# KiCad board kitest.kicad_pcb
title: Matrix Board 0; date: 2024-10-04; rev: 0; company: Psycho Duck
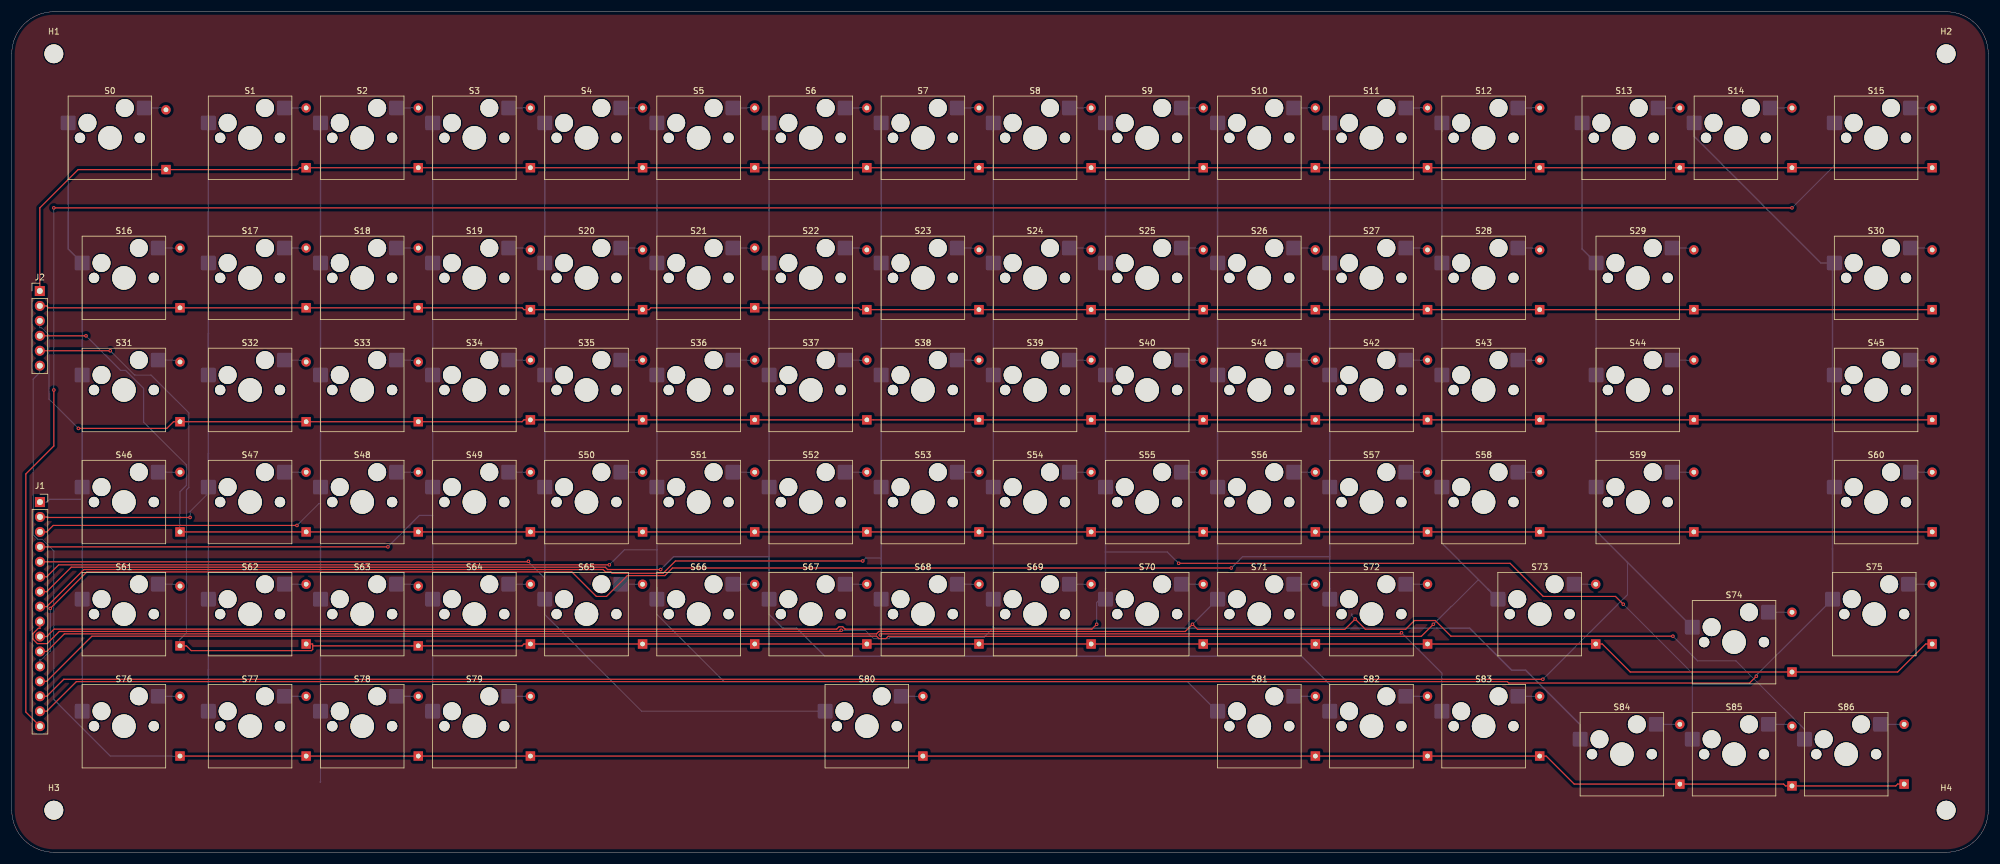
[diagram p0: board, top side]
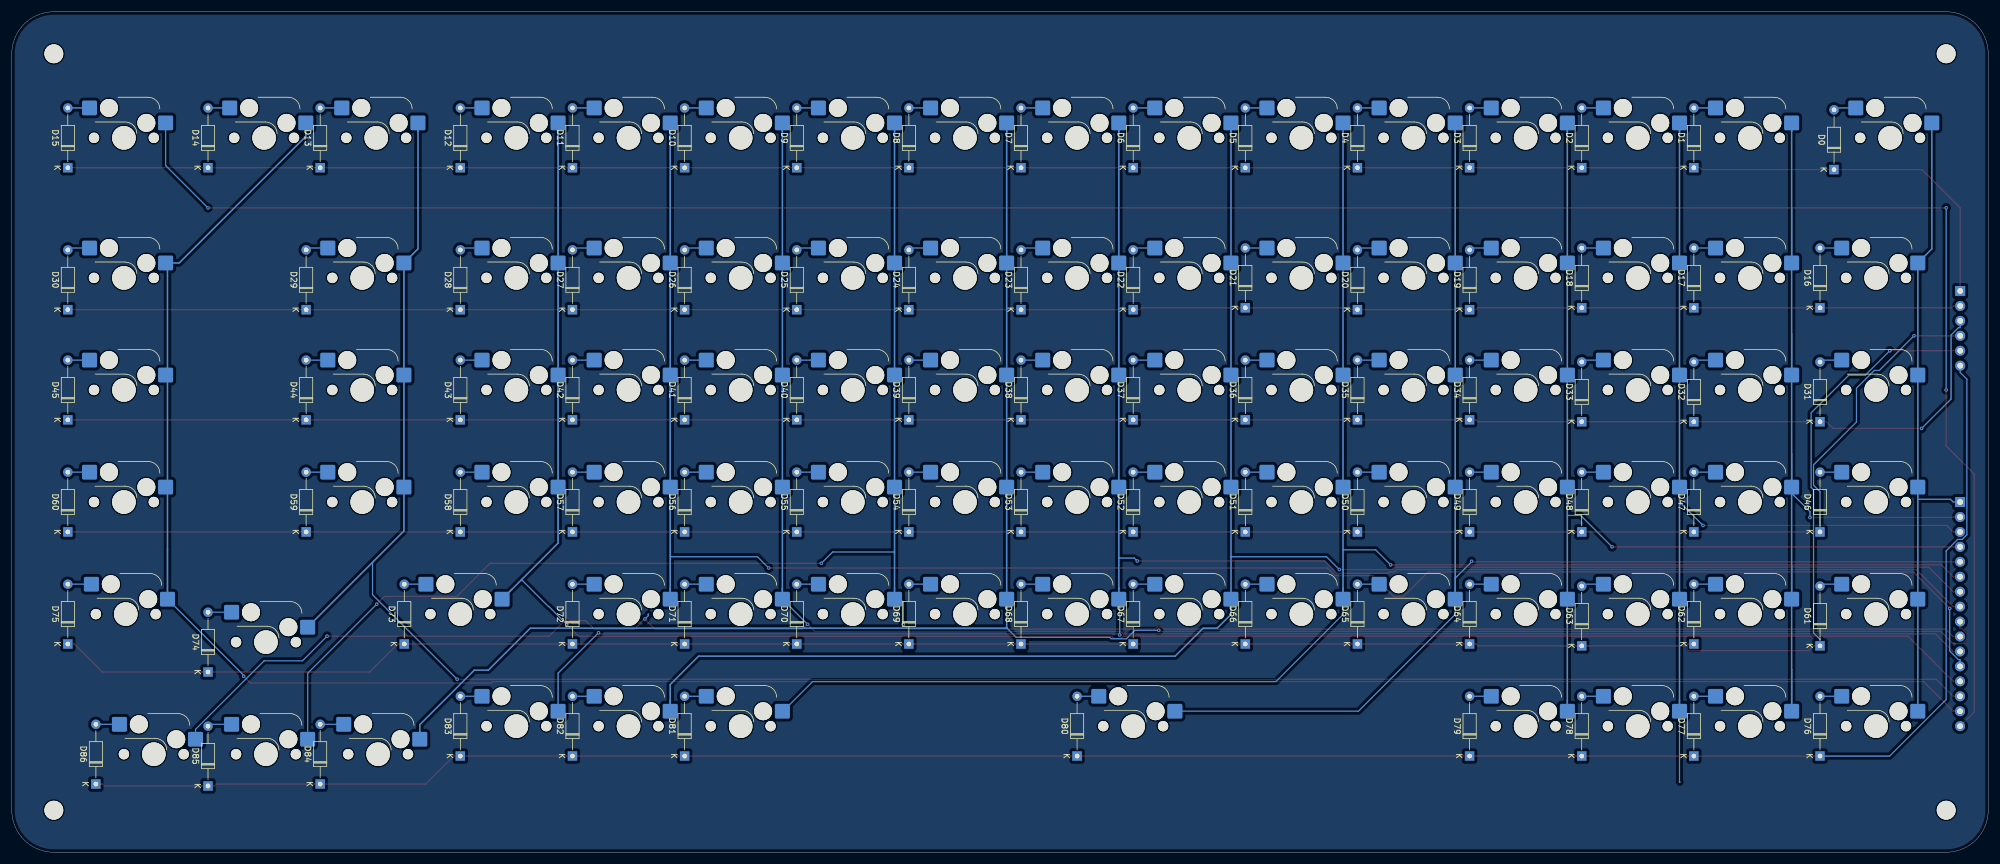
[diagram p1: board, bottom side, seen from below]

Outline 335.76 x 142.87 mm; copper layers: Top, Bottom. Coordinates in mm from the lower left corner of the outline.
Outline path: 0,135.73 0,7.14 arc(2.09,2.09) 7.14,0 328.61,0 arc(333.66,2.09) 335.76,7.14 335.76,135.73 arc(333.66,140.78) 328.61,142.87 7.14,142.87 arc(2.09,140.78) 0,135.73

## Placement (name value [footprint] x y rotation side)
D0  Diode  [D_DO-35_SOD27_P10.16mm_Horizontal]  26.19 116.05 90 bottom
D1  Diode  [D_DO-35_SOD27_P10.16mm_Horizontal]  50.01 116.36 90 bottom
D2  Diode  [D_DO-35_SOD27_P10.16mm_Horizontal]  69.06 116.36 90 bottom
D3  Diode  [D_DO-35_SOD27_P10.16mm_Horizontal]  88.11 116.36 90 bottom
D4  Diode  [D_DO-35_SOD27_P10.16mm_Horizontal]  107.16 116.36 90 bottom
D5  Diode  [D_DO-35_SOD27_P10.16mm_Horizontal]  126.21 116.36 90 bottom
D6  Diode  [D_DO-35_SOD27_P10.16mm_Horizontal]  145.26 116.36 90 bottom
D7  Diode  [D_DO-35_SOD27_P10.16mm_Horizontal]  164.31 116.36 90 bottom
D8  Diode  [D_DO-35_SOD27_P10.16mm_Horizontal]  183.36 116.36 90 bottom
D9  Diode  [D_DO-35_SOD27_P10.16mm_Horizontal]  202.41 116.36 90 bottom
D10  Diode  [D_DO-35_SOD27_P10.16mm_Horizontal]  221.46 116.36 90 bottom
D11  Diode  [D_DO-35_SOD27_P10.16mm_Horizontal]  240.51 116.36 90 bottom
D12  Diode  [D_DO-35_SOD27_P10.16mm_Horizontal]  259.56 116.36 90 bottom
D13  Diode  [D_DO-35_SOD27_P10.16mm_Horizontal]  283.37 116.36 90 bottom
D14  Diode  [D_DO-35_SOD27_P10.16mm_Horizontal]  302.42 116.36 90 bottom
D15  Diode  [D_DO-35_SOD27_P10.16mm_Horizontal]  326.23 116.36 90 bottom
D16  Diode  [D_DO-35_SOD27_P10.16mm_Horizontal]  28.58 92.55 90 bottom
D17  Diode  [D_DO-35_SOD27_P10.16mm_Horizontal]  50.01 92.55 90 bottom
D18  Diode  [D_DO-35_SOD27_P10.16mm_Horizontal]  69.06 92.55 90 bottom
D19  Diode  [D_DO-35_SOD27_P10.16mm_Horizontal]  88.11 92.23 90 bottom
D20  Diode  [D_DO-35_SOD27_P10.16mm_Horizontal]  107.16 92.23 90 bottom
D21  Diode  [D_DO-35_SOD27_P10.16mm_Horizontal]  126.21 92.55 90 bottom
D22  Diode  [D_DO-35_SOD27_P10.16mm_Horizontal]  145.26 92.23 90 bottom
D23  Diode  [D_DO-35_SOD27_P10.16mm_Horizontal]  164.31 92.23 90 bottom
D24  Diode  [D_DO-35_SOD27_P10.16mm_Horizontal]  183.36 92.23 90 bottom
D25  Diode  [D_DO-35_SOD27_P10.16mm_Horizontal]  202.41 92.23 90 bottom
D26  Diode  [D_DO-35_SOD27_P10.16mm_Horizontal]  221.46 92.23 90 bottom
D27  Diode  [D_DO-35_SOD27_P10.16mm_Horizontal]  240.51 92.23 90 bottom
D28  Diode  [D_DO-35_SOD27_P10.16mm_Horizontal]  259.56 92.23 90 bottom
D29  Diode  [D_DO-35_SOD27_P10.16mm_Horizontal]  285.75 92.23 90 bottom
D30  Diode  [D_DO-35_SOD27_P10.16mm_Horizontal]  326.23 92.23 90 bottom
D31  Diode  [D_DO-35_SOD27_P10.16mm_Horizontal]  28.58 73.18 90 bottom
D32  Diode  [D_DO-35_SOD27_P10.16mm_Horizontal]  50.01 73.18 90 bottom
D33  Diode  [D_DO-35_SOD27_P10.16mm_Horizontal]  69.06 73.18 90 bottom
D34  Diode  [D_DO-35_SOD27_P10.16mm_Horizontal]  88.11 73.5 90 bottom
D35  Diode  [D_DO-35_SOD27_P10.16mm_Horizontal]  107.16 73.5 90 bottom
D36  Diode  [D_DO-35_SOD27_P10.16mm_Horizontal]  126.21 73.5 90 bottom
D37  Diode  [D_DO-35_SOD27_P10.16mm_Horizontal]  145.26 73.5 90 bottom
D38  Diode  [D_DO-35_SOD27_P10.16mm_Horizontal]  164.31 73.5 90 bottom
D39  Diode  [D_DO-35_SOD27_P10.16mm_Horizontal]  183.36 73.5 90 bottom
D40  Diode  [D_DO-35_SOD27_P10.16mm_Horizontal]  202.41 73.5 90 bottom
D41  Diode  [D_DO-35_SOD27_P10.16mm_Horizontal]  221.46 73.5 90 bottom
D42  Diode  [D_DO-35_SOD27_P10.16mm_Horizontal]  240.51 73.5 90 bottom
D43  Diode  [D_DO-35_SOD27_P10.16mm_Horizontal]  259.56 73.5 90 bottom
D44  Diode  [D_DO-35_SOD27_P10.16mm_Horizontal]  285.75 73.5 90 bottom
D45  Diode  [D_DO-35_SOD27_P10.16mm_Horizontal]  326.23 73.5 90 bottom
D46  Diode  [D_DO-35_SOD27_P10.16mm_Horizontal]  28.58 54.45 90 bottom
D47  Diode  [D_DO-35_SOD27_P10.16mm_Horizontal]  50.01 54.45 90 bottom
D48  Diode  [D_DO-35_SOD27_P10.16mm_Horizontal]  69.06 54.45 90 bottom
D49  Diode  [D_DO-35_SOD27_P10.16mm_Horizontal]  88.11 54.45 90 bottom
D50  Diode  [D_DO-35_SOD27_P10.16mm_Horizontal]  107.16 54.45 90 bottom
D51  Diode  [D_DO-35_SOD27_P10.16mm_Horizontal]  126.21 54.45 90 bottom
D52  Diode  [D_DO-35_SOD27_P10.16mm_Horizontal]  145.26 54.45 90 bottom
D53  Diode  [D_DO-35_SOD27_P10.16mm_Horizontal]  164.31 54.45 90 bottom
D54  Diode  [D_DO-35_SOD27_P10.16mm_Horizontal]  183.36 54.45 90 bottom
D55  Diode  [D_DO-35_SOD27_P10.16mm_Horizontal]  202.41 54.45 90 bottom
D56  Diode  [D_DO-35_SOD27_P10.16mm_Horizontal]  221.46 54.45 90 bottom
D57  Diode  [D_DO-35_SOD27_P10.16mm_Horizontal]  240.51 54.45 90 bottom
D58  Diode  [D_DO-35_SOD27_P10.16mm_Horizontal]  259.56 54.45 90 bottom
D59  Diode  [D_DO-35_SOD27_P10.16mm_Horizontal]  285.75 54.45 90 bottom
D60  Diode  [D_DO-35_SOD27_P10.16mm_Horizontal]  326.23 54.45 90 bottom
D61  Diode  [D_DO-35_SOD27_P10.16mm_Horizontal]  28.58 35.08 90 bottom
D62  Diode  [D_DO-35_SOD27_P10.16mm_Horizontal]  50.01 35.4 90 bottom
D63  Diode  [D_DO-35_SOD27_P10.16mm_Horizontal]  69.06 35.08 90 bottom
D64  Diode  [D_DO-35_SOD27_P10.16mm_Horizontal]  88.11 35.4 90 bottom
D65  Diode  [D_DO-35_SOD27_P10.16mm_Horizontal]  107.16 35.4 90 bottom
D66  Diode  [D_DO-35_SOD27_P10.16mm_Horizontal]  126.21 35.4 90 bottom
D67  Diode  [D_DO-35_SOD27_P10.16mm_Horizontal]  145.26 35.4 90 bottom
D68  Diode  [D_DO-35_SOD27_P10.16mm_Horizontal]  164.31 35.4 90 bottom
D69  Diode  [D_DO-35_SOD27_P10.16mm_Horizontal]  183.36 35.4 90 bottom
D70  Diode  [D_DO-35_SOD27_P10.16mm_Horizontal]  202.41 35.4 90 bottom
D71  Diode  [D_DO-35_SOD27_P10.16mm_Horizontal]  221.46 35.4 90 bottom
D72  Diode  [D_DO-35_SOD27_P10.16mm_Horizontal]  240.51 35.4 90 bottom
D73  Diode  [D_DO-35_SOD27_P10.16mm_Horizontal]  269.08 35.4 90 bottom
D74  Diode  [D_DO-35_SOD27_P10.16mm_Horizontal]  302.42 30.64 90 bottom
D75  Diode  [D_DO-35_SOD27_P10.16mm_Horizontal]  326.23 35.4 90 bottom
D76  Diode  [D_DO-35_SOD27_P10.16mm_Horizontal]  28.58 16.35 90 bottom
D77  Diode  [D_DO-35_SOD27_P10.16mm_Horizontal]  50.01 16.35 90 bottom
D78  Diode  [D_DO-35_SOD27_P10.16mm_Horizontal]  69.06 16.35 90 bottom
D79  Diode  [D_DO-35_SOD27_P10.16mm_Horizontal]  88.11 16.35 90 bottom
D80  Diode  [D_DO-35_SOD27_P10.16mm_Horizontal]  154.78 16.35 90 bottom
D81  Diode  [D_DO-35_SOD27_P10.16mm_Horizontal]  221.46 16.35 90 bottom
D82  Diode  [D_DO-35_SOD27_P10.16mm_Horizontal]  240.51 16.35 90 bottom
D83  Diode  [D_DO-35_SOD27_P10.16mm_Horizontal]  259.56 16.35 90 bottom
D84  Diode  [D_DO-35_SOD27_P10.16mm_Horizontal]  283.37 11.59 90 bottom
D85  Diode  [D_DO-35_SOD27_P10.16mm_Horizontal]  302.42 11.27 90 bottom
D86  Diode  [D_DO-35_SOD27_P10.16mm_Horizontal]  321.47 11.59 90 bottom
H1  MountingHole  [MountingHole_3.2mm_M3_DIN965]  7.14 135.73 0 top
H2  MountingHole  [MountingHole_3.2mm_M3_DIN965]  328.61 135.73 0 top
H3  MountingHole  [MountingHole_3.2mm_M3_DIN965]  7.14 7.14 0 top
H4  MountingHole  [MountingHole_3.2mm_M3_DIN965]  328.61 7.14 0 top
J1  Conn_01x16  [PinSocket_1x16_P2.54mm_Vertical]  4.79 59.53 0 top
J2  Conn_01x06  [PinHeader_1x06_P2.54mm_Vertical]  4.76 95.41 0 top
S0  Keyswitch  [Hotswap_MX_1.00u]  16.67 121.44 0 top
S1  Keyswitch  [Hotswap_MX_1.00u]  40.48 121.44 0 top
S2  Keyswitch  [Hotswap_MX_1.00u]  59.53 121.44 0 top
S3  Keyswitch  [Hotswap_MX_1.00u]  78.58 121.44 0 top
S4  Keyswitch  [Hotswap_MX_1.00u]  97.63 121.44 0 top
S5  Keyswitch  [Hotswap_MX_1.00u]  116.68 121.44 0 top
S6  Keyswitch  [Hotswap_MX_1.00u]  135.73 121.44 0 top
S7  Keyswitch  [Hotswap_MX_1.00u]  154.78 121.44 0 top
S8  Keyswitch  [Hotswap_MX_1.00u]  173.83 121.44 0 top
S9  Keyswitch  [Hotswap_MX_1.00u]  192.88 121.44 0 top
S10  Keyswitch  [Hotswap_MX_1.00u]  211.93 121.44 0 top
S11  Keyswitch  [Hotswap_MX_1.00u]  230.98 121.44 0 top
S12  Keyswitch  [Hotswap_MX_1.00u]  250.03 121.44 0 top
S13  Keyswitch  [Hotswap_MX_1.00u]  273.84 121.44 0 top
S14  Keyswitch  [Hotswap_MX_1.00u]  292.89 121.44 0 top
S15  Keyswitch  [Hotswap_MX_1.00u]  316.71 121.44 0 top
S16  Keyswitch  [Hotswap_MX_1.00u]  19.05 97.63 0 top
S17  Keyswitch  [Hotswap_MX_1.00u]  40.48 97.63 0 top
S18  Keyswitch  [Hotswap_MX_1.00u]  59.53 97.63 0 top
S19  Keyswitch  [Hotswap_MX_1.00u]  78.58 97.63 0 top
S20  Keyswitch  [Hotswap_MX_1.00u]  97.63 97.63 0 top
S21  Keyswitch  [Hotswap_MX_1.00u]  116.68 97.63 0 top
S22  Keyswitch  [Hotswap_MX_1.00u]  135.73 97.63 0 top
S23  Keyswitch  [Hotswap_MX_1.00u]  154.78 97.63 0 top
S24  Keyswitch  [Hotswap_MX_1.00u]  173.83 97.63 0 top
S25  Keyswitch  [Hotswap_MX_1.00u]  192.88 97.63 0 top
S26  Keyswitch  [Hotswap_MX_1.00u]  211.93 97.63 0 top
S27  Keyswitch  [Hotswap_MX_1.00u]  230.98 97.63 0 top
S28  Keyswitch  [Hotswap_MX_1.00u]  250.03 97.63 0 top
S29  Keyswitch  [Hotswap_MX_1.00u]  276.23 97.63 0 top
S30  Keyswitch  [Hotswap_MX_1.00u]  316.71 97.63 0 top
S31  Keyswitch  [Hotswap_MX_1.00u]  19.05 78.58 0 top
S32  Keyswitch  [Hotswap_MX_1.00u]  40.48 78.58 0 top
S33  Keyswitch  [Hotswap_MX_1.00u]  59.53 78.58 0 top
S34  Keyswitch  [Hotswap_MX_1.00u]  78.58 78.58 0 top
S35  Keyswitch  [Hotswap_MX_1.00u]  97.63 78.58 0 top
S36  Keyswitch  [Hotswap_MX_1.00u]  116.68 78.58 0 top
S37  Keyswitch  [Hotswap_MX_1.00u]  135.73 78.58 0 top
S38  Keyswitch  [Hotswap_MX_1.00u]  154.78 78.58 0 top
S39  Keyswitch  [Hotswap_MX_1.00u]  173.83 78.58 0 top
S40  Keyswitch  [Hotswap_MX_1.00u]  192.88 78.58 0 top
S41  Keyswitch  [Hotswap_MX_1.00u]  211.93 78.58 0 top
S42  Keyswitch  [Hotswap_MX_1.00u]  230.98 78.58 0 top
S43  Keyswitch  [Hotswap_MX_1.00u]  250.03 78.58 0 top
S44  Keyswitch  [Hotswap_MX_1.00u]  276.23 78.58 0 top
S45  Keyswitch  [Hotswap_MX_1.00u]  316.71 78.58 0 top
S46  Keyswitch  [Hotswap_MX_1.00u]  19.05 59.53 0 top
S47  Keyswitch  [Hotswap_MX_1.00u]  40.48 59.53 0 top
S48  Keyswitch  [Hotswap_MX_1.00u]  59.53 59.53 0 top
S49  Keyswitch  [Hotswap_MX_1.00u]  78.58 59.53 0 top
S50  Keyswitch  [Hotswap_MX_1.00u]  97.63 59.53 0 top
S51  Keyswitch  [Hotswap_MX_1.00u]  116.68 59.53 0 top
S52  Keyswitch  [Hotswap_MX_1.00u]  135.73 59.53 0 top
S53  Keyswitch  [Hotswap_MX_1.00u]  154.78 59.53 0 top
S54  Keyswitch  [Hotswap_MX_1.00u]  173.83 59.53 0 top
S55  Keyswitch  [Hotswap_MX_1.00u]  192.88 59.53 0 top
S56  Keyswitch  [Hotswap_MX_1.00u]  211.93 59.53 0 top
S57  Keyswitch  [Hotswap_MX_1.00u]  230.98 59.53 0 top
S58  Keyswitch  [Hotswap_MX_1.00u]  250.03 59.53 0 top
S59  Keyswitch  [Hotswap_MX_1.00u]  276.23 59.53 0 top
S60  Keyswitch  [Hotswap_MX_1.00u]  316.71 59.53 0 top
S61  Keyswitch  [Hotswap_MX_1.00u]  19.05 40.48 0 top
S62  Keyswitch  [Hotswap_MX_1.00u]  40.48 40.48 0 top
S63  Keyswitch  [Hotswap_MX_1.00u]  59.53 40.48 0 top
S64  Keyswitch  [Hotswap_MX_1.00u]  78.58 40.48 0 top
S65  Keyswitch  [Hotswap_MX_1.00u]  97.63 40.48 0 top
S66  Keyswitch  [Hotswap_MX_1.00u]  116.68 40.48 0 top
S67  Keyswitch  [Hotswap_MX_1.00u]  135.73 40.48 0 top
S68  Keyswitch  [Hotswap_MX_1.00u]  154.78 40.48 0 top
S69  Keyswitch  [Hotswap_MX_1.00u]  173.83 40.48 0 top
S70  Keyswitch  [Hotswap_MX_1.00u]  192.88 40.48 0 top
S71  Keyswitch  [Hotswap_MX_1.00u]  211.93 40.48 0 top
S72  Keyswitch  [Hotswap_MX_1.00u]  230.98 40.48 0 top
S73  Keyswitch  [Hotswap_MX_1.00u]  259.56 40.48 0 top
S74  Keyswitch  [Hotswap_MX_1.00u]  292.58 35.72 0 top
S75  Keyswitch  [Hotswap_MX_1.00u]  316.39 40.48 0 top
S76  Keyswitch  [Hotswap_MX_1.00u]  19.05 21.43 0 top
S77  Keyswitch  [Hotswap_MX_1.00u]  40.48 21.43 0 top
S78  Keyswitch  [Hotswap_MX_1.00u]  59.53 21.43 0 top
S79  Keyswitch  [Hotswap_MX_1.00u]  78.58 21.43 0 top
S80  Keyswitch  [Hotswap_MX_1.00u]  145.26 21.43 0 top
S81  Keyswitch  [Hotswap_MX_1.00u]  211.93 21.43 0 top
S82  Keyswitch  [Hotswap_MX_1.00u]  230.98 21.43 0 top
S83  Keyswitch  [Hotswap_MX_1.00u]  250.03 21.43 0 top
S84  Keyswitch  [Hotswap_MX_1.00u]  273.53 16.67 0 top
S85  Keyswitch  [Hotswap_MX_1.00u]  292.58 16.67 0 top
S86  Keyswitch  [Hotswap_MX_1.00u]  311.63 16.67 0 top

## Library data of the parts
D0-D86 = -: Description: 1N4148 (DO-35) or 1N4148W (SOD-123); Sim.Device: D; Sim.Pins: 1=K 2=A; ki_fp_filters: D*DO?35*
H1-H4 = -: ki_fp_filters: MountingHole*
J1 = -: Description: Generic connector, single row, 01x16, script generated (kicad-library-utils/schlib/autogen/connector/); ki_fp_filters: Connector*:*_1x??_*
J2 = -: Description: Generic connector, single row, 01x06, script generated (kicad-library-utils/schlib/autogen/connector/); ki_fp_filters: Connector*:*_1x??_*
S0-S86 = -: Description: Push button switch, normally open, two pins, 45° tilted

## Footprints (pads in the part's own frame, mm; a bottom-side part is the same pattern mirrored in y, then rotated)
D_DO-35_SOD27_P10.16mm_Horizontal
  rect 1.6x1.6 hole 0.8: 1(0,0)
  oval 1.6x1.6 hole 0.8: 2(10.16,0)
Hotswap_MX_1.00u
  round 1.75 hole 1.75 unplated: (-5.08,0) (5.08,0)
  round 3.05 hole 3.05 unplated: (-3.81,2.54) (2.54,5.08)
  round 4 hole 4 unplated: (0,0)
  rrect 2.55x2.5 smd far side: 1(-7.085,2.54) 2(5.842,5.08)
MountingHole_3.2mm_M3_DIN965
  round 3.2 hole 3.2 unplated: (0,0)
PinHeader_1x06_P2.54mm_Vertical
  rect 1.7x1.7 hole 1: 1(0,0)
  oval 1.7x1.7 hole 1: 2(0,-2.54) 3(0,-5.08) 4(0,-7.62) 5(0,-10.16) 6(0,-12.7)
PinSocket_1x16_P2.54mm_Vertical
  rect 1.7x1.7 hole 1: 1(0,0)
  oval 1.7x1.7 hole 1: 2(0,-2.54) 3(0,-5.08) 4(0,-7.62) 5(0,-10.16) 6(0,-12.7) 7(0,-15.24) 8(0,-17.78) 9(0,-20.32) 10(0,-22.86) 11(0,-25.4) 12(0,-27.94) 13(0,-30.48) 14(0,-33.02) 15(0,-35.56) 16(0,-38.1)

## Nets
/Col0: J1.1 S0.1 S16.1 S31.1 S46.1 S61.1 S76.1
/Col1: J1.2 S1.1 S17.1 S32.1 S47.1 S62.1 S77.1
/Col2: J1.3 S2.1 S18.1 S33.1 S48.1 S63.1 S78.1
/Col3: J1.4 S3.1 S19.1 S34.1 S49.1 S64.1 S79.1
/Col4: J1.5 S4.1 S20.1 S35.1 S50.1 S65.1 S80.1
/Col5: J1.6 S5.1 S21.1 S36.1 S51.1 S66.1 S81.1
/Col6: J1.7 S6.1 S22.1 S37.1 S52.1 S67.1 S82.1
/Col7: J1.8 S7.1 S23.1 S38.1 S53.1 S68.1 S83.1
/Col8: J1.9 S8.1 S24.1 S39.1 S54.1 S69.1 S84.1
/Col9: J1.10 S9.1 S25.1 S40.1 S55.1 S70.1 S85.1
/Col10: J1.11 S10.1 S26.1 S41.1 S56.1 S71.1 S86.1
/Col11: J1.12 S11.1 S27.1 S42.1 S57.1 S72.1
/Col12: J1.13 S12.1 S28.1 S43.1 S58.1 S73.1
/Col13: J1.14 S13.1 S29.1 S44.1 S59.1 S74.1
/Col14: J1.15 S14.1 S30.1 S45.1 S60.1 S75.1
/Col15: J1.16 S15.1
/Row0: D0.1 D1.1 D2.1 D3.1 D4.1 D5.1 D6.1 D7.1 D8.1 D9.1 D10.1 D11.1 D12.1 D13.1 D14.1 D15.1 J2.1
/Row1: D16.1 D17.1 D18.1 D19.1 D20.1 D21.1 D22.1 D23.1 D24.1 D25.1 D26.1 D27.1 D28.1 D29.1 D30.1 J2.2
/Row2: D31.1 D32.1 D33.1 D34.1 D35.1 D36.1 D37.1 D38.1 D39.1 D40.1 D41.1 D42.1 D43.1 D44.1 D45.1 J2.3
/Row3: D46.1 D47.1 D48.1 D49.1 D50.1 D51.1 D52.1 D53.1 D54.1 D55.1 D56.1 D57.1 D58.1 D59.1 D60.1 J2.4
/Row4: D61.1 D62.1 D63.1 D64.1 D65.1 D66.1 D67.1 D68.1 D69.1 D70.1 D71.1 D72.1 D73.1 D74.1 D75.1 J2.5
/Row5: D76.1 D77.1 D78.1 D79.1 D80.1 D81.1 D82.1 D83.1 D84.1 D85.1 D86.1 J2.6
Net-(D0-A): D0.2 S0.2
Net-(D1-A): D1.2 S1.2
Net-(D2-A): D2.2 S2.2
Net-(D3-A): D3.2 S3.2
Net-(D4-A): D4.2 S4.2
Net-(D5-A): D5.2 S5.2
Net-(D6-A): D6.2 S6.2
Net-(D7-A): D7.2 S7.2
Net-(D8-A): D8.2 S8.2
Net-(D9-A): D9.2 S9.2
Net-(D10-A): D10.2 S10.2
Net-(D11-A): D11.2 S11.2
Net-(D12-A): D12.2 S12.2
Net-(D13-A): D13.2 S13.2
Net-(D14-A): D14.2 S14.2
Net-(D15-A): D15.2 S15.2
Net-(D16-A): D16.2 S16.2
Net-(D17-A): D17.2 S17.2
Net-(D18-A): D18.2 S18.2
Net-(D19-A): D19.2 S19.2
Net-(D20-A): D20.2 S20.2
Net-(D21-A): D21.2 S21.2
Net-(D22-A): D22.2 S22.2
Net-(D23-A): D23.2 S23.2
Net-(D24-A): D24.2 S24.2
Net-(D25-A): D25.2 S25.2
Net-(D26-A): D26.2 S26.2
Net-(D27-A): D27.2 S27.2
Net-(D28-A): D28.2 S28.2
Net-(D29-A): D29.2 S29.2
Net-(D30-A): D30.2 S30.2
Net-(D31-A): D31.2 S31.2
Net-(D32-A): D32.2 S32.2
Net-(D33-A): D33.2 S33.2
Net-(D34-A): D34.2 S34.2
Net-(D35-A): D35.2 S35.2
Net-(D36-A): D36.2 S36.2
Net-(D37-A): D37.2 S37.2
Net-(D38-A): D38.2 S38.2
Net-(D39-A): D39.2 S39.2
Net-(D40-A): D40.2 S40.2
Net-(D41-A): D41.2 S41.2
Net-(D42-A): D42.2 S42.2
Net-(D43-A): D43.2 S43.2
Net-(D44-A): D44.2 S44.2
Net-(D45-A): D45.2 S45.2
Net-(D46-A): D46.2 S46.2
Net-(D47-A): D47.2 S47.2
Net-(D48-A): D48.2 S48.2
Net-(D49-A): D49.2 S49.2
Net-(D50-A): D50.2 S50.2
Net-(D51-A): D51.2 S51.2
Net-(D52-A): D52.2 S52.2
Net-(D53-A): D53.2 S53.2
Net-(D54-A): D54.2 S54.2
Net-(D55-A): D55.2 S55.2
Net-(D56-A): D56.2 S56.2
Net-(D57-A): D57.2 S57.2
Net-(D58-A): D58.2 S58.2
Net-(D59-A): D59.2 S59.2
Net-(D60-A): D60.2 S60.2
Net-(D61-A): D61.2 S61.2
Net-(D62-A): D62.2 S62.2
Net-(D63-A): D63.2 S63.2
Net-(D64-A): D64.2 S64.2
Net-(D65-A): D65.2 S65.2
Net-(D66-A): D66.2 S66.2
Net-(D67-A): D67.2 S67.2
Net-(D68-A): D68.2 S68.2
Net-(D69-A): D69.2 S69.2
Net-(D70-A): D70.2 S70.2
Net-(D71-A): D71.2 S71.2
Net-(D72-A): D72.2 S72.2
Net-(D73-A): D73.2 S73.2
Net-(D74-A): D74.2 S74.2
Net-(D75-A): D75.2 S75.2
Net-(D76-A): D76.2 S76.2
Net-(D77-A): D77.2 S77.2
Net-(D78-A): D78.2 S78.2
Net-(D79-A): D79.2 S79.2
Net-(D80-A): D80.2 S80.2
Net-(D81-A): D81.2 S81.2
Net-(D82-A): D82.2 S82.2
Net-(D83-A): D83.2 S83.2
Net-(D84-A): D84.2 S84.2
Net-(D85-A): D85.2 S85.2
Net-(D86-A): D86.2 S86.2

## Via types
v1: diameter 0.6, hole 0.3, Top to Bottom, 27 vias

## Routing (per net, layer and track width the routed paths; a pad name or vN(x,y) marks a point on that pad's centre or on a via; arc(x,y) is an arc through that point)
/Col0: length 108.4
  Bottom w0.2: 11.96,60.01 6.41,60.01 5.94,59.53 J1.1
  Bottom w0.25: S0.1 9.58,102.55 S16.1 S31.1 S46.1 S61.1 S76.1
/Col1: length 167.1
  Top w0.2: J1.2 5.94,56.99 6.02,56.91 v1(30.29,56.91)
  Bottom w0.2: 33.4,67.73 S47.1 ; S17.1 33.4,109.54 33.4,109.54 ; 33.4,61.02 30.29,57.92 v1(30.29,56.91) ; 33.4,88.11 S32.1 ; 33.4,122.58 S1.1 ; 33.4,48.64 S62.1 ; 33.4,31.04 S77.1
  Bottom w0.25: S1.1 S77.1
/Col2: length 166.6
  Top w0.2: v1(48.45,55.55) 7.04,55.55 5.94,54.45 J1.3
  Bottom w0.2: 52.45,100.62 S18.1 ; 52.45,62.52 S48.1 ; 52.45,11.97 S78.1 52.45,25.82 ; 52.45,81.41 S33.1 ; 52.45,59.26 52.15,59.26 v1(48.45,55.55) ; 52.45,122.58 S2.1 ; 52.45,43.47 S63.1
  Bottom w0.25: S2.1 S78.1 ; 52.39,11.91 52.45,11.97
/Col3: length 173.7
  Top w0.2: J1.4 v1(63.9,51.91)
  Bottom w0.2: 71.5,43.31 S64.1 ; 71.5,81.41 S34.1 ; v1(63.9,51.91) 69.24,57.25 71.5,57.25 ; 71.5,25.82 S79.1 ; 71.5,62.52 S49.1 ; 71.5,122.58 S3.1 ; 71.5,100.62 S19.1
  Bottom w0.25: S3.1 S79.1
/Col4: length 231.2
  Top w0.2: v1(87.77,49.46) 87.69,49.37 J1.5
  Bottom w0.2: 90.55,62.52 90.55,62.52 S50.1 ; S80.1 107,23.97 90.55,40.42 S65.1 90.55,46.6 87.77,49.37 v1(87.77,49.46) ; 90.55,122.58 90.55,122.58 S4.1 ; 90.55,100.46 90.55,100.46 S20.1 ; 90.55,81.57 90.55,81.57 S35.1
  Bottom w0.25: 90.55,43.02 90.55,123.98
/Col5: length 294.7
  Top w0.2: v1(101.51,48.86) 7.97,48.86 5.94,46.83 J1.6
  Bottom w0.2: 204.74,23.97 199.69,29.02 120.99,29.02 109.6,40.42 S66.1 109.6,44.87 109.6,44.87 ; v1(101.51,48.86) 104.07,51.41 109.6,51.41 ; 204.85,23.97 S81.1 ; S36.1 109.6,81.57 109.6,81.57 ; S21.1 109.6,100.17 ; S5.1 109.6,123.98 ; S51.1 109.6,62.07
  Bottom w0.25: 204.85,23.97 204.63,23.97 ; 109.6,123.98 109.6,43.02
/Col6: length 320.1
  Top w0.2: J1.7 5.94,44.29 10.1,48.46 100.82,48.46 101.22,48.05 v1(110.23,48.05)
  Bottom w0.2: 128.65,81.57 128.65,81.57 S37.1 ; 128.65,122.58 128.65,122.58 S6.1 ; 128.65,50.23 112.41,50.23 v1(110.23,48.05) ; S52.1 128.65,62.52 128.65,62.52 ; S22.1 128.65,100.62 128.65,100.62 ; 223.9,25.82 223.9,25.82 S82.1 ; S67.1 128.65,43.57 128.65,43.58
  Bottom w0.25: 223.9,23.97 223.9,28.52 219.07,33.34 138.11,33.34 133.35,38.1 130.97,38.1 128.65,40.42 128.65,123.98
/Col7: length 343.3
  Top w0.2: J1.8 5.94,41.75 12.24,48.05 100.45,48.05 100.86,47.65 101.76,47.65 101.99,47.43 110.65,47.43 112.74,49.52 v1(144.57,49.52) ; v1(236.08,37.31) 235.9,37.13 147.75,37.13 v1(147.55,36.93)
  Bottom w0.2: v1(147.55,36.93) 147.55,42.87 S68.1 147.7,44.87 147.7,44.87 ; S38.1 147.7,81.57 147.7,81.57 ; 147.7,62.52 147.7,62.52 S53.1 ; 147.7,50.01 145.06,50.01 v1(144.57,49.52) ; 147.7,122.58 147.7,122.58 S7.1 ; S23.1 147.7,100.46 147.7,100.46 ; S83.1 242.95,30.44 v1(236.08,37.31)
  Bottom w0.25: 147.7,123.98 147.7,43.02
/Col8: length 368.6
  Top w0.2: v1(140.91,37.73) 140.7,37.53 8.07,37.53 6,35.47 4.35,35.47 3.59,36.23 3.59,37.15 4.5,38.06 4.79,38.06 J1.9
  Bottom w0.2: S84.1 266.44,20.45 266.44,20.45 ; S54.1 166.75,62.52 166.75,62.52 ; 166.7,38.1 165.13,36.53 149.23,36.53 149,36.29 146.39,36.29 144.96,37.73 v1(140.91,37.73) ; S8.1 166.75,122.58 166.75,122.58 ; 166.75,100.46 166.75,100.46 S24.1 ; S69.1 166.75,43.47 166.75,43.47 ; S39.1 166.75,81.57 166.75,81.57
  Bottom w0.25: S84.1 266.44,21.69 257.18,30.96 254.79,30.96 247.65,38.1 166.69,38.1 166.75,38.16 166.75,123.98
/Col9: length 391.4
  Top w0.2: v1(273.76,42.16) 272.44,43.48 260.16,43.48 254.53,49.12 v1(198.23,49.12) ; v1(184.3,38.75) 183.48,37.93 141.56,37.93 141.15,38.33 140.54,38.33 140.14,37.93 7.2,37.93 5.94,36.67 J1.10
  Bottom w0.2: 185.8,62.52 185.8,62.52 S55.1 ; v1(198.23,49.12) 196.31,51.04 185.8,51.04 ; 185.8,122.58 185.8,122.58 S9.1 ; S25.1 185.8,100.46 185.8,100.46 ; 185.8,81.57 185.8,81.57 S40.1 ; 185.8,43.95 184.3,42.45 v1(184.3,38.75) ; S70.1 185.8,44.87 185.8,44.87 ; S85.1 285.49,30.43 v1(273.76,42.16)
  Bottom w0.25: 185.8,123.98 185.8,43.02
/Col10: length 406
  Top w0.2: v1(282.19,36.72) 244.49,36.72 241.82,39.39 238.28,39.39 236.8,37.91 229.95,37.91 v1(228.21,39.64) 226.45,37.88 201.44,37.88 v1(200.57,38.75) 199.35,37.53 147.3,37.53 146.9,37.13 8.93,37.13 5.94,34.13 J1.11
  Bottom w0.2: v1(228.21,39.64) 227.62,40.23 227.62,40.43 ; S86.1 304.54,20.89 292.88,32.55 286.37,32.55 v1(282.19,36.72) ; v1(200.57,38.75) S71.1 204.85,44.87 204.85,44.87 ; S10.1 204.85,122.58 204.85,122.58 ; S26.1 204.85,100.46 204.85,100.46 ; S41.1 204.85,81.57 204.85,81.57 ; S56.1 204.85,62.52 204.85,62.52
  Bottom w0.25: 204.85,43.02 204.85,123.98 ; 227.62,40.48 227.62,40.43
/Col11: length 319.4
  Top w0.2: v1(207.16,48.32) 112.23,48.32 110.94,47.02 104.57,47.02 101.03,43.48 99.31,43.48 95.14,47.65 12.75,47.65 v1(6.54,41.44)
  Bottom w0.2: v1(207.16,48.32) 209.08,50.23 223.9,50.23 ; J1.12 4.79,32.74 5.06,32.74 6.54,34.23 v1(6.54,41.44) ; S57.1 223.9,62.07 ; 223.9,44.87 223.9,44.87 S72.1 ; 223.9,122.58 223.9,122.58 S11.1 ; S27.1 223.9,100.17 ; S42.1 223.9,81.12
  Bottom w0.25: 223.9,43.02 223.9,123.98
/Col12: length 341.7
  Top w0.2: J1.13 5.94,29.05 13.61,36.72 146.9,36.72 147.3,36.32 148.5,36.32 148.88,36.7 239.46,36.7 v1(241.5,38.75)
  Bottom w0.2: 242.95,62.52 242.95,62.52 S58.1 ; 242.95,81.57 242.95,81.57 S43.1 ; 250.81,44.68 S73.1 ; 249.16,46.34 244.58,41.77 244.52,41.77 v1(241.5,38.75) ; 242.95,100.46 242.95,100.46 S28.1 ; 242.95,122.58 242.95,122.58 S12.1
  Bottom w0.25: 242.95,123.98 242.95,52.55 249.16,46.34 250.81,44.68 S73.1
/Col13: length 377.2
  Top w0.2: J1.14 5.94,26.51 8.83,29.4 v1(260.1,29.4)
  Bottom w0.2: 266.76,122.58 S13.1 ; 274.47,49.28 274.47,43.78 v1(260.1,29.4)
  Bottom w0.25: S74.1 269.14,54.61 S59.1 S44.1 S29.1 266.76,102.55 S13.1
/Col14: length 415.3
  Top w0.2: v1(296.37,29.92) 295.21,28.76 254.3,28.76 254.06,29 10.97,29 5.94,23.97 J1.15
  Bottom w0.2: S60.1 309.3,62.07 ; S45.1 309.3,81.12 ; 309.3,51.57 S75.1 296.37,30.08 v1(296.37,29.92) ; 285.81,122.83 S14.1
  Bottom w0.25: S14.1 285.81,121.68 307.32,100.17 S30.1 309.3,99.85 S75.1
/Col15: length 403.8
  Top w0.2: v1(302.42,109.54) v1(7.14,109.54) ; J1.16 2.38,23.84 2.38,64.29 7.14,69.06 v1(7.14,78.58)
  Bottom w0.2: v1(7.14,109.54) v1(7.14,78.58) ; v1(302.42,109.54) 309.62,116.74 S15.1
/Row0: length 338.4
  Top w0.2: D15.1 D14.1 D13.1 D12.1 D11.1 D10.1 D9.1 D8.1 D7.1 D6.1 D5.1 D4.1 D3.1 D2.1 D1.1 48.9,116.36 48.59,116.05 D0.1 11.27,116.05 4.76,109.54 J2.1
/Row1: length 322
  Top w0.2: J2.2 5.91,92.87 6.23,92.55 D16.1 D17.1 D18.1 86.69,92.55 87,92.23 D19.1 D20.1 108.26,92.23 108.58,92.55 D21.1 143.84,92.55 144.15,92.23 D22.1 D23.1 D24.1 D25.1 D26.1 D27.1 D28.1 D29.1 D30.1
/Row2: length 336.7
  Top w0.2: D45.1 D44.1 D43.1 D42.1 D41.1 D40.1 D39.1 D38.1 D37.1 D36.1 D35.1 D34.1 87,73.5 86.69,73.18 D33.1 D32.1 D31.1 27.47,73.18 26.34,72.05 v1(11.32,72.05)
  Bottom w0.2: J2.3 4.76,89.18 5.05,89.18 6.32,87.91 6.32,77.05 v1(11.32,72.05)
/Row3: length 346.9
  Top w0.2: J2.4 v1(12.61,87.79) ; D46.1 D47.1 D48.1 D49.1 D50.1 D51.1 D52.1 D53.1 D54.1 D55.1 D56.1 D57.1 D58.1 D59.1 D60.1
  Bottom w0.2: v1(12.61,87.79) 18.49,81.9 19.34,81.9 22.39,78.86 22.39,73.14 29.68,65.85 29.68,62.39 28.58,61.29 D46.1
/Row4: length 374.1
  Top w0.2: D62.1 51.11,35.4 51.11,35.09 51.12,35.08 ; D75.1 325.13,35.4 320.37,30.64 D74.1 274.95,30.64 270.18,35.4 D73.1 D72.1 D71.1 D70.1 D69.1 D68.1 D67.1 D66.1 D65.1 D64.1 87,35.4 86.69,35.08 D63.1 51.12,35.08 ; D61.1 29.68,35.08 30.49,34.27 50.92,34.27 51.12,34.47 51.12,35.08 ; J2.5 v1(16.73,85.25)
  Bottom w0.2: v1(16.73,85.25) 20.87,81.11 23.67,81.11 30.08,74.7 30.08,62.02 29.68,61.62 29.68,37.29 28.58,36.19 D61.1
/Row5: length 379.7
  Top w0.2: D86.1 320.37,11.59 320.05,11.27 D85.1 301.32,11.27 301,11.59 D84.1 265.42,11.59 260.66,16.35 D83.1 D82.1 D81.1 D80.1 D79.1 D78.1 D77.1 D76.1
  Bottom w0.2: J2.6 4.76,81.56 3.64,80.43 3.64,53.95 4.41,53.18 5.18,53.18 7.15,51.22 7.15,25.95 16.74,16.35 D76.1
Net-(D0-A): length 3.8
  Bottom w0.2: D0.2 25.88,126.52 S0.2
Net-(D1-A): length 3.7
  Bottom w0.2: S1.2 D1.2
Net-(D2-A): length 3.7
  Bottom w0.2: S2.2 D2.2
Net-(D3-A): length 3.7
  Bottom w0.2: S3.2 D3.2
Net-(D4-A): length 3.7
  Bottom w0.2: S4.2 D4.2
Net-(D5-A): length 3.7
  Bottom w0.2: D5.2 S5.2
Net-(D6-A): length 3.7
  Bottom w0.2: D6.2 S6.2
Net-(D7-A): length 3.7
  Bottom w0.2: S7.2 D7.2
Net-(D8-A): length 3.7
  Bottom w0.2: D8.2 S8.2
Net-(D9-A): length 3.7
  Bottom w0.2: D9.2 S9.2
Net-(D10-A): length 3.7
  Bottom w0.2: S10.2 D10.2
Net-(D11-A): length 3.7
  Bottom w0.2: S11.2 D11.2
Net-(D12-A): length 3.7
  Bottom w0.2: D12.2 S12.2
Net-(D13-A): length 3.7
  Bottom w0.2: S13.2 D13.2
Net-(D14-A): length 3.7
  Bottom w0.2: S14.2 D14.2
Net-(D15-A): length 3.7
  Bottom w0.2: 322.55,126.52 S15.2 D15.2
Net-(D16-A): length 3.7
  Bottom w0.2: S16.2 D16.2
Net-(D17-A): length 3.7
  Bottom w0.2: S17.2 D17.2
Net-(D18-A): length 3.7
  Bottom w0.2: S18.2 D18.2
Net-(D19-A): length 3.8
  Bottom w0.2: S19.2 87.79,102.71 D19.2
Net-(D20-A): length 3.8
  Bottom w0.2: S20.2 106.84,102.71 107.16,102.39 D20.2
Net-(D21-A): length 3.7
  Bottom w0.2: D21.2 S21.2
Net-(D22-A): length 3.8
  Bottom w0.2: S22.2 144.94,102.71 145.26,102.39 D22.2
Net-(D23-A): length 3.8
  Bottom w0.2: D23.2 164.31,102.39 163.99,102.71 S23.2
Net-(D24-A): length 3.8
  Bottom w0.2: S24.2 183.04,102.71 183.36,102.39 D24.2
Net-(D25-A): length 3.8
  Bottom w0.2: D25.2 202.41,102.39 202.09,102.71 S25.2
Net-(D26-A): length 3.8
  Bottom w0.2: D26.2 221.46,102.39 221.14,102.71 S26.2
Net-(D27-A): length 3.8
  Bottom w0.2: D27.2 240.51,102.39 240.19,102.71 S27.2
Net-(D28-A): length 3.8
  Bottom w0.2: D28.2 259.56,102.39 259.24,102.71 S28.2
Net-(D29-A): length 3.8
  Bottom w0.2: S29.2 285.43,102.71 D29.2
Net-(D30-A): length 3.8
  Bottom w0.2: 322.55,102.71 S30.2 325.91,102.71 D30.2
Net-(D31-A): length 3.8
  Bottom w0.2: S31.2 28.26,83.66 D31.2
Net-(D32-A): length 3.8
  Bottom w0.2: S32.2 49.69,83.66 D32.2
Net-(D33-A): length 3.8
  Bottom w0.2: S33.2 68.74,83.66 D33.2
Net-(D34-A): length 3.7
  Bottom w0.2: S34.2 D34.2
Net-(D35-A): length 3.7
  Bottom w0.2: D35.2 S35.2
Net-(D36-A): length 3.7
  Bottom w0.2: D36.2 S36.2
Net-(D37-A): length 3.7
  Bottom w0.2: S37.2 D37.2
Net-(D38-A): length 3.7
  Bottom w0.2: D38.2 S38.2
Net-(D39-A): length 3.7
  Bottom w0.2: D39.2 S39.2
Net-(D40-A): length 3.7
  Bottom w0.2: D40.2 S40.2
Net-(D41-A): length 3.7
  Bottom w0.2: S41.2 D41.2
Net-(D42-A): length 3.7
  Bottom w0.2: S42.2 D42.2
Net-(D43-A): length 3.7
  Bottom w0.2: D43.2 S43.2
Net-(D44-A): length 3.7
  Bottom w0.2: S44.2 D44.2
Net-(D45-A): length 3.7
  Bottom w0.2: D45.2 S45.2 322.55,83.66
Net-(D46-A): length 3.7
  Bottom w0.2: S46.2 D46.2
Net-(D47-A): length 3.7
  Bottom w0.2: S47.2 D47.2
Net-(D48-A): length 3.7
  Bottom w0.2: S48.2 D48.2
Net-(D49-A): length 3.7
  Bottom w0.2: S49.2 D49.2
Net-(D50-A): length 3.7
  Bottom w0.2: D50.2 S50.2
Net-(D51-A): length 3.7
  Bottom w0.2: S51.2 D51.2
Net-(D52-A): length 3.7
  Bottom w0.2: S52.2 D52.2
Net-(D53-A): length 3.7
  Bottom w0.2: D53.2 S53.2
Net-(D54-A): length 3.7
  Bottom w0.2: D54.2 S54.2
Net-(D55-A): length 3.7
  Bottom w0.2: D55.2 S55.2
Net-(D56-A): length 3.7
  Bottom w0.2: D56.2 S56.2
Net-(D57-A): length 3.7
  Bottom w0.2: D57.2 S57.2
Net-(D58-A): length 3.7
  Bottom w0.2: S58.2 D58.2
Net-(D59-A): length 3.7
  Bottom w0.2: S59.2 D59.2
Net-(D60-A): length 3.7
  Bottom w0.2: 322.55,64.61 S60.2 D60.2
Net-(D61-A): length 3.8
  Bottom w0.2: 28.58,45.24 D61.2 28.26,45.56 S61.2
Net-(D62-A): length 3.7
  Bottom w0.2: S62.2 D62.2
Net-(D63-A): length 4
  Bottom w0.2: 68.9,45.4 D63.2 ; 68.9,45.4 68.74,45.56 S63.2 ; 68.9,45.4 69.06,45.24
Net-(D64-A): length 3.7
  Bottom w0.2: S64.2 D64.2
Net-(D65-A): length 3.7
  Bottom w0.2: D65.2 S65.2
Net-(D66-A): length 3.7
  Bottom w0.2: D66.2 S66.2
Net-(D67-A): length 3.7
  Bottom w0.2: S67.2 D67.2
Net-(D68-A): length 3.7
  Bottom w0.2: S68.2 D68.2
Net-(D69-A): length 3.7
  Bottom w0.2: D69.2 S69.2
Net-(D70-A): length 3.7
  Bottom w0.2: S70.2 D70.2
Net-(D71-A): length 3.7
  Bottom w0.2: D71.2 S71.2
Net-(D72-A): length 3.7
  Bottom w0.2: D72.2 S72.2
Net-(D73-A): length 3.7
  Bottom w0.2: D73.2 S73.2 265.4,45.56
Net-(D74-A): length 4
  Bottom w0.2: D74.2 S74.2 298.42,40.8
Net-(D75-A): length 4
  Bottom w0.2: S75.2 D75.2
Net-(D76-A): length 3.7
  Bottom w0.2: S76.2 D76.2
Net-(D77-A): length 3.7
  Bottom w0.2: S77.2 D77.2
Net-(D78-A): length 3.7
  Bottom w0.2: S78.2 D78.2
Net-(D79-A): length 3.7
  Bottom w0.2: S79.2 D79.2
Net-(D80-A): length 3.7
  Bottom w0.2: D80.2 S80.2 151.1,26.51
Net-(D81-A): length 3.7
  Bottom w0.2: D81.2 S81.2
Net-(D82-A): length 3.7
  Bottom w0.2: D82.2 S82.2
Net-(D83-A): length 3.7
  Bottom w0.2: D83.2 S83.2
Net-(D84-A): length 4
  Bottom w0.2: D84.2 S84.2 279.37,21.75
Net-(D85-A): length 4.1
  Bottom w0.2: 298.42,21.75 S85.2 302.1,21.75 D85.2
Net-(D86-A): length 4
  Bottom w0.2: 317.47,21.75 S86.2 D86.2

## Copper pours and planes (outline as drawn; the poured copper is in the pictures)
(no net) on Top, Bottom: 0,142.88 335.76,142.88 335.76,0 0,0
